# KiCad board Soldermander.kicad_pcb (continued)
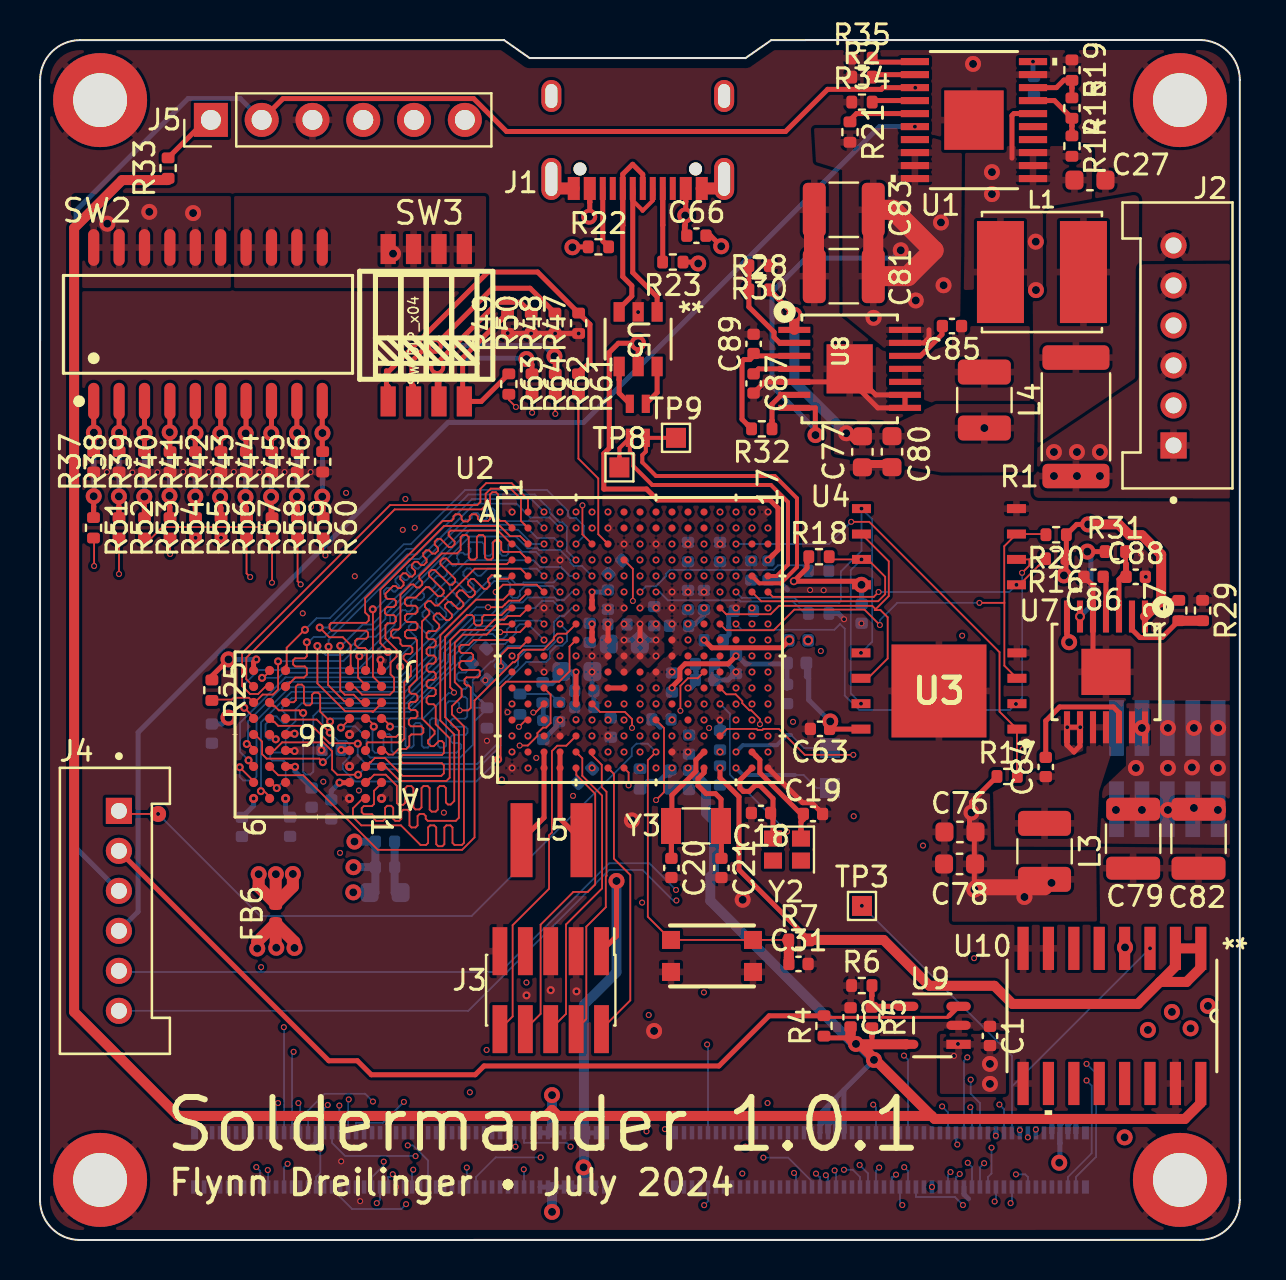
[diagram p0: board, top side]
## Routing (per net, layer and track width the routed paths; a pad name or vN(x,y) marks a point on that pad's centre or on a via; arc(x,y) is an arc through that point) (continued)
  Bottom w0.25: 30.79,24.42 U2.T10
SEMC_A0: length 19.4
  Top w0.09: 12.52,27.88 12.77,28.13 13.2,28.13 13.34,28.27 13.34,28.58 13.24,28.68 12.76,28.68 12.66,28.79 12.66,28.99 12.76,29.09 13.24,29.09 13.34,29.19 v2(13.34,29.9) ; 12.52,27.88 12.48,27.88 U6.H7 ; 12.52,27.88 12.34,27.69 ; v1(25.21,36.41) U2.A3
  Bottom w0.09: v2(13.34,29.9) 13.43,29.9 13.69,30.16 14.24,30.16 18.37,34.29 18.83,34.29 21.6,37.05 24.57,37.05 v1(25.21,36.41)
SEMC_A1: length 22.8
  Top w0.09: 24.41,36.72 U2.A2 ; 24.41,36.72 24.41,36.41 ; 24.41,36.72 24.41,37.03 23.59,37.85 22.31,37.85 22.02,37.56 22.02,36.91 21.87,36.76 17.51,36.76 10.11,29.35 10.11,27.71 10.51,27.31 10.91,27.31 11.28,27.67 11.47,27.67 11.48,27.68
SEMC_A2: length 20.7
  Top w0.09: U2.C2 24.21,35 24.21,35 ; 24.21,35 24.01,35.2 23.51,35.2 23,35.71 20.2,35.71 17.02,32.53 17.02,29.85 17.4,29.47 v2(17.4,29.41) ; 24.21,35 24.41,34.81 ; 11.48,28.48 11.52,28.48 11.54,28.49 11.16,28.11 v2(11.1,28.11)
  Bottom w0.09: v2(17.4,29.41) 17.52,29.29 17.52,28.76 17.13,28.37 12.18,28.37 11.93,28.11 v2(11.1,28.11)
SEMC_A3: length 21.5
  Top w0.09: 12.34,28.76 12.28,28.7 U6.J7 ; 12.34,28.76 12.34,29.62 13.23,30.51 v2(13.25,30.51) ; 12.34,28.76 12.34,28.49 ; v1(26.81,34.81) U2.C5 v1(26.81,34.81)
  Bottom w0.09: v1(26.81,34.81) 27.2,35.2 27.2,35.71 26.81,36.11 26.51,36.11 26.41,36.21 26.41,36.46 25.35,37.51 21.26,37.51 18.55,34.79 18.19,34.79 14.49,31.1 13.83,31.1 v2(13.25,30.51)
SEMC_A4: length 21.2
  Top w0.09: v2(13.99,30.63) 14.47,30.15 15.14,30.15 15.53,29.75 15.53,29.67 15.54,28.72 ; 15.54,28.72 15.48,28.67 U6.J3 ; 15.54,28.72 15.54,28.49 ; v1(26.81,34.01) U2.D5 v1(26.81,34.01)
  Bottom w0.09: v2(13.99,30.63) 14.38,30.63 18.32,34.56 18.7,34.56 21.42,37.28 24.74,37.28 25.49,36.53 25.49,36.38 25.98,35.89 26.12,35.89 26.35,35.67 26.35,34.46 v1(26.81,34.01)
SEMC_A5: length 21.2
  Top w0.09: 16.43,28.56 16.34,28.65 16.34,29.51 16.25,29.6 15.92,29.6 15.76,29.76 15.76,29.97 15.86,30.07 16.31,30.07 16.41,30.17 16.41,30.37 16.31,30.48 14.58,30.48 14.48,30.58 14.48,30.78 14.56,30.86 16.32,30.86 16.44,30.98 16.44,31.2 16.26,31.38 16.26,32.09 20.13,35.96 20.58,35.96 20.68,36.06 20.68,36.19 20.78,36.29 20.98,36.29 21.08,36.19 21.08,36.04 21.18,35.94 21.39,35.94 21.49,36.04 21.49,36.19 21.59,36.29 21.79,36.29 21.9,36.19 21.9,36.06 22,35.96 22.41,35.96 22.51,36.06 22.51,37.29 22.62,37.4 22.8,37.4 22.91,37.28 22.91,36.06 23.02,35.96 23.25,35.96 23.61,35.61 23.6,35.61 U2.B1 ; 16.43,28.56 16.35,28.48 ; 16.43,28.56 16.36,28.56 U6.J2
SEMC_A6: length 21
  Top w0.09: U6.H3 15.49,27.67 15.56,27.67 ; 23.6,34.81 23.58,34.81 22.9,35.48 20.54,35.48 20.44,35.38 20.44,35.23 20.73,34.94 20.73,34.79 20.59,34.65 20.45,34.65 20.03,35.07 19.88,35.07 19.74,34.92 19.74,34.78 19.91,34.61 19.91,34.47 19.76,34.33 19.62,34.33 19.45,34.49 19.31,34.49 19.17,34.35 19.17,34.2 19.33,34.04 19.33,33.9 19.19,33.75 19.04,33.75 18.88,33.92 18.74,33.92 18.59,33.77 18.59,33.63 18.76,33.46 18.76,33.32 18.61,33.18 18.47,33.18 18.3,33.34 18.16,33.34 18.02,33.2 18.02,33.05 18.18,32.89 18.18,32.75 18.04,32.6 17.89,32.6 17.8,32.7 17.65,32.7 17.28,32.32 17.28,32.16 17.38,32.06 17.69,32.06 17.8,31.96 17.8,31.76 17.69,31.66 17.35,31.66 17.25,31.55 17.25,31.35 17.35,31.25 17.69,31.25 17.8,31.15 17.8,30.94 17.69,30.84 17.38,30.84 17.28,30.74 17.28,30.08 17.83,29.52 17.83,29.18 17.53,28.88 17.53,28.29 17.71,28.11 17.71,27.48 17.5,27.27 16.11,27.27 15.74,27.64 15.59,27.64 15.56,27.67 ; 23.6,34.81 U2.C1 ; 23.6,34.81 23.61,34.81 ; 15.54,27.69 15.56,27.67
SEMC_A7: length 18.5
  Top w0.09: v2(15.97,29.2) 15.91,29.13 15.91,28.12 16.28,27.75 ; 16.28,27.75 U6.H2 ; 16.28,27.75 16.34,27.69 ; v1(25.21,34.01) U2.D3
  Bottom w0.09: v2(15.97,29.2) 16.02,29.25 16.22,29.25 17.74,30.76 17.74,31.1 17.81,31.17 18.13,31.5 18.27,31.5 18.34,31.43 18.49,31.43 18.63,31.57 18.63,31.72 18.56,31.79 18.56,31.93 18.71,32.07 18.85,32.07 18.92,32 19.06,32 19.21,32.15 19.21,32.29 19.14,32.36 19.14,32.5 19.28,32.65 19.42,32.65 19.49,32.58 19.64,32.58 19.78,32.72 19.78,32.86 19.71,32.94 19.71,33.08 19.85,33.22 20,33.22 20.07,33.15 20.21,33.15 20.36,33.3 20.36,33.44 20.29,33.51 20.29,33.65 20.43,33.8 20.57,33.8 20.64,33.73 20.79,33.73 20.93,33.87 20.93,34.01 20.86,34.08 20.86,34.23 21,34.37 21.15,34.37 21.24,34.28 21.38,34.28 21.52,34.43 21.52,34.57 21.44,34.66 21.44,34.8 21.53,34.89 22.1,34.89 22.2,34.79 22.2,34.32 22.3,34.22 22.51,34.22 22.61,34.32 22.61,34.85 22.71,34.95 22.91,34.95 23.02,34.85 23.02,34.32 23.12,34.22 23.32,34.22 23.42,34.32 23.42,34.75 23.52,34.85 23.67,34.85 24.11,34.41 24.8,34.41 v1(25.21,34.01)
SEMC_A8: length 18
  Top w0.09: 17.08,27.75 16.65,28.18 16.65,31.53 v2(16.64,31.54) ; 17.08,27.75 17.14,27.69 ; 17.08,27.75 U6.H1 ; v1(25.21,35.61) U2.B3
  Bottom w0.09: v2(16.64,31.54) 16.79,31.54 17.32,32.06 17.32,32.21 17.2,32.32 17.2,32.46 17.35,32.61 17.49,32.61 17.67,32.42 17.76,32.42 17.96,32.62 17.96,32.71 17.78,32.9 17.78,33.04 17.92,33.18 18.06,33.18 18.25,33 18.34,33 18.54,33.2 18.54,33.29 18.35,33.47 18.35,33.61 18.5,33.76 18.64,33.76 18.82,33.57 18.91,33.57 19.11,33.77 19.11,33.86 21.27,36.02 21.49,36.02 21.59,36.12 21.59,36.26 21.68,36.36 21.87,36.36 21.97,36.26 21.97,36.09 22.06,36 22.25,36 22.35,36.09 22.35,36.49 22.44,36.58 22.63,36.58 22.73,36.49 22.73,36.12 22.9,35.95 24.86,35.95 v1(25.21,35.61)
SEMC_A9: length 18.7
  Top w0.09: 15.48,26.88 15.48,26.89 15.51,26.92 15.48,26.95 15.22,26.95 14.4,27.76 14.4,29.64 v2(14.43,29.67) ; v1(26.01,35.61) U2.B4
  Bottom w0.09: v1(26.01,35.61) 25.48,36.13 24.52,36.13 23.83,36.83 21.73,36.83 18.96,34.06 18.47,34.06 14.43,30.02 v2(14.43,29.67)
SEMC_A10: length 21.2
  Top w0.09: 24.23,35.78 24.23,35.78 U2.B2 ; 24.23,35.78 24.41,35.61 ; 24.23,35.78 24.05,35.96 24.05,37.06 23.53,37.58 22.54,37.58 22.29,37.32 22.29,36.74 22.09,36.54 17.74,36.54 10.32,29.12 10.32,28.05 U6.H9
SEMC_A11: length 17.8
  Top w0.09: v2(15.01,29.71) 15.01,27.5 15.24,27.27 15.69,27.27 16.03,26.93 16.23,26.93 ; 16.23,26.93 16.28,26.88 ; 16.23,26.93 16.3,26.93 ; v1(26.01,34.81) U2.C4
  Bottom w0.09: v1(26.01,34.81) 25.71,35.11 24.86,35.11 24.2,35.77 21.43,35.77 17.02,31.36 17.02,31.19 16.61,30.78 16.14,30.78 15.07,29.71 v2(15.01,29.71)
SEMC_A12: length 20.5
  Top w0.09: 17.08,26.88 17.08,26.84 16.65,26.41 16.61,26.44 15.26,26.44 13.87,27.83 v2(13.87,29.71) ; v1(25.21,34.81) U2.C3
  Bottom w0.09: v1(25.21,34.81) 24.62,34.81 23.91,35.52 21.5,35.52 17.28,31.29 17.28,31.06 16.74,30.53 16.38,30.53 15.11,29.26 14.29,29.26 13.87,29.67 v2(13.87,29.71)
SEMC_BA0: length 19.6
  Top w0.09: v1(20.7,27.38) 20.7,27.45 20.51,27.64 20.51,29.99 21.03,30.51 22.21,30.51 22.72,31.02 23.21,31.02 23.4,31.21 24.01,31.21 U2.G2 ; v2(14.51,25.93) 14.01,26.42 14.01,27.27 13.91,27.37 13.71,27.37 13.6,27.27 13.6,26.84 13.5,26.74 13.3,26.74 13.2,26.84 13.2,27.68 13.1,27.78 12.89,27.78 12.79,27.68 12.79,27 12.69,26.89 12.29,26.89 12.28,26.88
  Bottom w0.09: v1(20.7,27.38) 20.67,27.35 20.43,27.35 19.17,26.08 14.66,26.08 v2(14.51,25.93)
SEMC_BA1: length 21.5
  Top w0.09: 11.74,26.69 11.67,26.69 11.48,26.88 ; 11.74,26.69 11.94,26.49 12.96,26.49 13.08,26.36 v2(13.16,26.36) ; 11.74,26.69 11.54,26.89 ; v1(23.02,30.4) 24,30.4 U2.H2
  Bottom w0.09: v2(13.16,26.36) 13.16,23.42 13.16,23.41 13.29,23.28 13.52,23.28 13.67,23.42 13.67,26.21 14.05,26.59 18.41,26.59 20.65,28.83 20.65,29.18 21.98,30.51 22.91,30.51 v1(23.02,30.4)
SEMC_CAS: length 23
  Top w0.09: U6.F7 12.34,26.03 13.84,26.03 v2(14.49,25.37) ; U2.J5 26.8,30.01 U2.J5 ; U2.J5 26.64,29.84 ; U2.J5 26.64,29.84 ; 26.64,29.84 26.48,29.68 26.48,28.44 25.96,27.92 23.31,27.92 23.03,27.64 23.03,24.15 v2(22.91,24.03)
  Bottom w0.09: v2(14.49,25.37) 14.9,24.96 15.31,24.96 15.47,24.8 15.47,24.15 15.14,23.82 15.14,23.55 15.76,22.93 21.82,22.93 22.91,24.02 v2(22.91,24.03)
SEMC_CKE: length 22.5
  Top w0.09: v2(15.05,25.62) 15.07,25.62 15.48,26.04 U6.F3
  Bottom w0.09: 21.64,26.62 21.64,27.36 ; 21.64,26.62 21.64,25.86 ; 21.64,26.62 R24.1 ; 21.64,27.36 22,27 ; 21.64,27.36 21.64,28.01 22.56,28.93 22.63,28.93 23.41,29.71 25.31,29.71 25.71,30.1 25.71,30.91 26,31.21 26.21,31.21 26.61,31.61 v1(26.81,31.61) ; R24.1 22.36,26.57 21.64,25.86 ; R24.1 22.36,26.64 22,27 ; 22.36,26.71 22.06,27 22,27 ; v2(15.05,25.62) 15.04,25.62 15.04,25.49 15.23,25.68 15.77,25.68 16.01,25.44 16.01,25.44 16.33,25.12 16.33,24.32 16.53,24.13 21.01,24.13 21.64,24.76 21.64,25.86
SEMC_CLK: length 3.9
  Bottom w0.09: v1(25.21,30.01) 24.42,30.79 23.99,30.79 23.81,30.61 23.81,30.36 23.26,29.81 22.57,29.81 22.42,29.66 22.4,29.66 R26.1
SEMC_CS0: length 24.6
  Top w0.09: 10.74,26.88 10.76,26.91 ; 10.76,26.91 10.77,26.91 11.13,27.28 11.65,27.28 11.91,27.53 v2(11.91,28.94) ; 10.76,26.91 10.71,26.91 10.68,26.88 10.45,27.12 9.69,27.12 9.6,27.03 8.63,27.03 ; 8.63,27.03 8.6,27 R25.2 ; 8.63,27.03 8.59,27.03 ; v1(27.61,33.21) U2.E6 v1(27.61,33.21)
  Bottom w0.09: v1(27.61,33.21) 27.11,33.71 26.7,33.71 26.52,33.89 26.52,33.99 26.01,34.51 24.96,34.51 24.87,34.59 24.38,34.59 23.8,35.18 21.49,35.18 17.51,31.2 17.51,30.89 16.79,30.17 16.39,30.17 15.17,28.96 12.8,28.96 12.79,28.95 11.92,28.95 v2(11.91,28.94)
SEMC_D0: length 22.2
  Top w0.09: 25.11,32.5 25.12,32.5 U2.F3 ; 25.11,32.5 25.21,32.41 ; 25.11,32.5 24.84,32.77 23.15,32.77 v1(22.79,32.41) ; 11.54,22.11 11.54,22.09 ; 11.54,22.11 11.51,22.11 11.48,22.08 ; 11.54,22.11 11.54,22.12 11.21,22.45 v2(11.05,22.45)
  Bottom w0.09: v2(11.05,22.45) 11.05,22.7 11.05,22.71 11.05,25.88 12.58,27.41 18.26,27.41 19.97,29.12 19.97,29.46 21.76,31.25 22.55,31.25 22.79,31.49 v1(22.79,32.41)
SEMC_D1: length 21.9
  Top w0.09: U2.F2 24.41,32.41 23.97,31.97 23.45,31.97 23.26,31.78 23.25,31.78 23.11,31.64 v1(22.41,31.64) ; v2(9.99,23.64) 10.68,22.95 ; 10.68,22.95 10.74,22.89 ; 10.68,22.95 10.68,22.88
  Bottom w0.09: v1(22.41,31.64) 21.83,31.64 19.74,29.56 19.74,29.21 18.17,27.64 12.48,27.64 10.82,25.98 10.82,23.16 10.65,22.98 10.16,22.98 9.99,23.16 v2(9.99,23.64)
SEMC_D2: length 21.9
  Top w0.09: 26,31.61 U2.G4 26,31.61 ; 26,31.61 v1(26,31.61) ; 11.48,22.88 11.49,22.89 11.54,22.89 11.83,22.6 v2(11.84,22.6)
  Bottom w0.09: v1(26,31.61) 25.66,31.95 25.1,31.95 24.75,31.6 23.65,31.6 22.75,30.69 21.85,30.69 20.42,29.27 20.42,28.93 18.34,26.84 13.09,26.84 12.78,26.54 12.78,25.95 12.28,25.46 12.28,24.48 12.18,24.38 11.62,24.38 11.52,24.28 11.52,24.07 11.62,23.97 12.18,23.97 12.28,23.87 12.28,23.05 v2(11.84,22.6)
SEMC_D3: length 22.1
  Top w0.09: 10.68,23.72 10.43,23.97 v2(10.43,23.99) ; 10.68,23.72 10.7,23.69 ; 10.68,23.72 U6.C9 ; v1(26.01,33.21) U2.E4
  Bottom w0.09: v2(10.43,23.99) 10.01,24.41 10.01,25.87 12.28,28.14 18.02,28.14 18.39,28.51 18.39,28.96 22.57,33.13 23.47,33.13 23.8,32.81 24.1,32.81 24.18,32.89 25.69,32.89 v1(26.01,33.21)
SEMC_D4: length 25.9
  Top w0.09: 11.48,23.68 11.92,23.24 13.16,23.24 16.9,19.51 21.11,19.51 21.73,20.13 21.73,26.98 23.65,28.89 23.74,28.89 23.92,29.08 23.92,29.26 24.17,29.52 25.19,29.52 25.69,30.03 25.69,30.14 25.88,30.32 26.32,30.32 U2.H5
SEMC_D5: length 21.7
  Top w0.09: v1(26.01,32.41) U2.F4 ; v2(10.34,24.81) 10.45,24.81 10.74,24.52 10.74,24.51 ; 10.74,24.51 10.71,24.51 U6.D9 ; 10.74,24.51 10.74,24.49
  Bottom w0.09: v1(26.01,32.41) 25.94,32.41 25.64,32.71 24.26,32.71 24,32.45 24,32.23 23.88,32.11 23.64,32.11 23.52,32.23 23.52,32.83 23.4,32.95 22.71,32.95 19.51,29.75 19.51,29.31 18.11,27.91 12.37,27.91 10.4,25.94 10.4,24.87 v2(10.34,24.81)
SEMC_D6: length 21.9
  Top w0.09: v2(15.91,23.27) 14.87,23.27 14.61,23.53 14.61,24.44 14.16,24.89 12.11,24.89 11.72,24.5 11.54,24.5 11.54,24.5 ; 11.54,24.49 11.54,24.5 ; 11.54,24.5 11.5,24.5 11.48,24.48
  Bottom w0.09: v1(26.01,30.81) 26.36,30.46 26.36,29.95 26.12,29.72 25.83,29.72 25.49,29.38 25.49,29.09 25.31,28.91 24.32,28.91 23.04,27.63 23.04,24.72 21.86,23.54 16.18,23.54 v2(15.91,23.27)
SEMC_D7: length 20.9
  Top w0.09: 10.79,25.24 10.72,25.24 U6.E9 ; 10.79,25.24 11.11,24.92 11.11,24.3 11.33,24.07 13.97,24.07 v2(14.15,23.9) ; 10.79,25.24 10.74,25.29 ; v1(25.2,30.81) U2.H3
  Bottom w0.09: v2(14.15,23.9) 14.17,23.9 14.59,24.31 14.59,24.72 14.12,25.19 14.12,26.41 18.48,26.41 21.01,28.93 21.01,29.13 22.18,30.31 22.64,30.31 22.88,30.06 23.15,30.06 23.35,30.26 23.35,30.54 23.79,30.97 25.04,30.97 v1(25.2,30.81)
SEMC_D8: length 21.8
  Top w0.09: v1(25.21,33.21) U2.E3 ; U6.E1 17.09,25.29 17.2,25.29 17.33,25.16 17.8,25.16 17.99,25.34 17.99,28.65 v2(18.01,28.67)
  Bottom w0.09: v2(18.01,28.67) 18.07,28.73 18.07,29.24 18.81,29.98 18.81,30.15 18.44,30.51 18.44,30.69 18.61,30.86 18.78,30.86 19.29,30.35 19.46,30.35 19.63,30.52 19.63,30.69 19.13,31.2 19.13,31.37 19.3,31.54 19.47,31.54 19.97,31.03 20.14,31.03 20.31,31.2 20.31,31.37 19.81,31.88 19.81,32.05 19.98,32.22 20.15,32.22 20.66,31.71 20.83,31.71 21,31.89 21,32.06 20.49,32.56 20.49,32.73 20.66,32.9 20.83,32.9 21.34,32.4 21.51,32.4 21.68,32.57 21.68,32.74 21.17,33.24 21.17,33.42 21.34,33.59 21.51,33.59 21.88,33.22 22.05,33.22 22.4,33.57 24.84,33.57 v1(25.21,33.21)
SEMC_D9: length 25
  Top w0.09: U6.D2 16.3,24.5 16.34,24.5 ; 16.34,24.5 16.34,24.5 16.34,24.83 16.4,24.89 18.04,24.89 18.21,25.07 18.21,27.88 18.55,28.21 18.55,28.7 18.18,29.06 18.18,29.21 18.28,29.31 18.52,29.31 18.62,29.41 18.62,29.61 18.52,29.71 18.13,29.71 18.02,29.81 18.02,30.02 17.92,30.12 17.66,30.12 17.56,30.22 17.56,30.42 17.66,30.53 17.92,30.53 18.02,30.63 18.02,32.27 18.54,32.78 18.68,32.78 18.83,32.63 18.97,32.63 19.11,32.78 19.11,32.92 18.97,33.07 18.97,33.21 20.09,34.34 20.86,34.34 21.03,34.51 21.03,35.15 21.14,35.25 21.34,35.25 21.44,35.15 21.44,34.13 21.54,34.03 21.74,34.03 21.85,34.13 21.85,35.15 21.95,35.25 22.15,35.25 22.25,35.15 22.25,34.13 22.35,34.03 22.56,34.03 22.66,34.13 22.66,34.89 22.76,34.99 22.96,34.99 23.07,34.89 23.07,34.51 23.17,34.41 24,34.41 24.2,34.21 ; 16.34,24.5 16.34,24.49 ; U2.D2 24.2,34.21 24.2,34.21 ; 24.2,34.21 24.41,34.01
SEMC_D10: length 24.7
  Top w0.09: 23.6,34.01 U2.D1 ; 23.6,34.01 23.61,34.01 ; 23.6,34.01 23.55,34.01 23.35,33.8 20.6,33.8 20.31,34.09 20.17,34.09 20.02,33.94 20.02,33.8 20.76,33.06 20.76,32.91 20.62,32.77 20.48,32.77 19.74,33.51 19.59,33.51 19.45,33.37 19.45,33.22 20.19,32.48 20.19,32.34 20.04,32.2 19.9,32.2 19.45,32.65 19.31,32.65 18.98,32.32 18.96,32.3 18.79,32.13 18.35,32.13 18.25,32.02 18.25,31.82 18.35,31.72 18.77,31.72 18.88,31.62 18.88,31.42 18.77,31.31 18.35,31.31 18.25,31.21 18.25,31.01 18.35,30.91 18.77,30.91 18.88,30.81 18.88,30.6 18.77,30.5 18.35,30.5 18.25,30.4 18.25,30.2 18.35,30.09 18.75,30.09 18.85,29.99 18.85,28.04 18.47,27.66 18.47,27.42 18.57,27.32 18.77,27.32 18.88,27.22 18.88,27.01 18.77,26.91 18.55,26.91 18.44,26.81 18.44,26.61 18.55,26.5 18.77,26.5 18.88,26.4 18.88,26.2 18.77,26.1 18.55,26.1 18.44,26 18.44,25.79 18.55,25.69 19.07,25.69 19.17,25.59 19.17,25.39 19.07,25.29 18.57,25.29 18.47,25.18 18.47,24.71 18.32,24.56 17.94,24.56 17.66,24.28 17.43,24.28 17.31,24.4 17.31,24.4 17.21,24.49 17.09,24.49 U6.D1
SEMC_D11: length 25.3
  Top w0.09: 24.31,33.3 24.32,33.3 U2.E2 ; 24.31,33.3 24.41,33.21 ; 24.31,33.3 24.04,33.57 21.74,33.57 19.9,31.73 19.76,31.73 19.54,31.95 19.4,31.95 19.25,31.8 19.25,31.66 19.47,31.44 19.47,31.3 19.1,30.93 19.1,26.08 19.73,25.45 19.73,25.31 19.41,24.98 19.41,24.84 19.55,24.7 19.69,24.7 19.95,24.95 20.09,24.95 20.2,24.85 20.2,24.35 20.09,24.25 18.14,24.25 18.04,24.15 18.04,23.95 18.14,23.85 20.09,23.85 20.2,23.74 20.2,23.34 20.07,23.21 18.14,23.21 17.25,24.1 16.74,24.1 16.54,23.9 ; U6.C2 16.5,23.9 16.54,23.9 ; 16.54,23.9 16.34,23.69
SEMC_D12: length 24.8
  Top w0.09: 23.6,33.21 23.56,33.21 23.42,33.07 22.96,33.07 22.79,33.24 22.58,33.24 22.41,33.07 22.41,32.92 22.48,32.85 22.48,32.71 22.34,32.56 22.19,32.56 21.7,33.06 21.55,33.06 21.41,32.92 21.41,32.77 21.75,32.44 21.75,32.29 21.6,32.15 21.46,32.15 21.12,32.48 20.98,32.48 20.84,32.34 20.84,32.2 21.17,31.86 21.17,31.72 21.03,31.57 20.89,31.57 20.55,31.91 20.4,31.91 20.26,31.77 20.26,31.62 20.6,31.29 20.6,31.14 20.45,31 20.31,31 19.97,31.34 19.83,31.34 19.69,31.19 19.69,31.05 19.97,30.77 19.97,30.63 19.79,30.45 19.43,30.45 19.33,30.35 19.33,30.15 19.43,30.04 19.69,30.04 19.79,29.94 19.79,29.74 19.69,29.64 19.43,29.64 19.33,29.54 19.33,29.33 19.43,29.23 19.69,29.23 19.79,29.13 19.79,28.93 19.69,28.82 19.43,28.82 19.33,28.72 19.33,28.52 19.43,28.42 19.69,28.42 19.79,28.32 19.79,28.11 19.69,28.01 19.43,28.01 19.33,27.91 19.33,27.71 19.43,27.61 19.69,27.61 19.79,27.5 19.79,27.3 19.69,27.2 19.43,27.2 19.33,27.1 19.33,26.89 19.43,26.79 19.69,26.79 19.79,26.69 19.79,25.79 20.49,25.09 20.49,23.12 20.32,22.96 17.99,22.96 17.3,23.64 17.19,23.64 17.16,23.67 ; 23.6,33.21 U2.E1 ; 23.6,33.21 23.61,33.21 ; U6.C1 17.09,23.67 17.16,23.67 ; 17.14,23.69 17.16,23.67
SEMC_D13: length 25.2
  Top w0.09: 16.28,22.88 16.48,23.08 16.52,23.08 ; 16.52,23.08 16.71,23.27 17.29,23.27 17.85,22.71 17.85,21.85 17.94,21.76 18.16,21.76 18.27,21.86 18.27,22.6 18.37,22.7 18.57,22.7 18.67,22.6 18.67,21.63 18.77,21.53 18.98,21.53 19.08,21.63 19.08,22.6 19.18,22.7 19.38,22.7 19.48,22.6 19.48,21.53 19.59,21.42 19.79,21.42 19.89,21.53 19.89,22.6 19.99,22.7 20.2,22.7 20.3,22.6 20.3,21.88 20.4,21.78 20.54,21.78 20.72,21.95 20.72,25.28 20.02,25.98 20.02,30.24 21.8,32.02 23.16,32.02 23.55,32.41 23.6,32.41 ; 16.52,23.08 16.34,22.89 ; 23.6,32.41 U2.F1 ; 23.6,32.41 23.61,32.41
SEMC_D14: length 24.6
  Top w0.09: 17.08,22.88 17.08,22.84 16.7,22.46 16.7,21.8 16.6,21.7 16.19,21.7 16.09,21.6 16.09,21.39 16.19,21.29 16.6,21.29 16.7,21.19 16.7,21.06 16.81,20.96 17.16,20.96 17.26,21.06 17.26,21.61 17.36,21.71 17.56,21.71 17.66,21.61 17.66,21.06 17.77,20.96 17.97,20.96 18.07,21.06 18.07,21.42 18.17,21.52 18.37,21.52 18.48,21.42 18.48,20.73 18.58,20.63 18.78,20.63 18.88,20.73 18.88,21.2 18.98,21.3 19.19,21.3 19.29,21.2 19.29,21.06 19.39,20.96 20.79,20.96 20.95,21.12 20.95,25.46 20.26,26.14 20.26,30.16 21.35,31.25 21.61,31.25 21.71,31.15 21.71,30.84 21.81,30.74 22.01,30.74 22.11,30.84 22.11,31.15 22.22,31.25 23.08,31.25 23.36,31.53 23.53,31.53 U2.G1
SEMC_D15: length 24.9
  Top w0.09: 16.25,22.05 U6.A2 ; 16.25,22.05 16.29,22.05 ; 16.25,22.05 16.11,22.05 15.65,21.59 15.65,21.15 16.07,20.73 18.05,20.73 19.03,19.76 19.31,19.76 19.41,19.86 19.41,20.63 19.51,20.73 19.71,20.73 19.82,20.63 19.82,19.79 19.92,19.69 20.12,19.69 20.22,19.79 20.22,20.63 20.32,20.73 20.53,20.73 20.63,20.63 20.63,19.86 20.73,19.76 21.1,19.76 21.2,19.86 21.2,25.69 20.6,26.28 20.6,26.69 21.09,27.17 21.09,27.55 20.74,27.9 20.74,29.87 21.15,30.27 22.33,30.27 22.85,30.79 23.59,30.79 U2.H1
SEMC_DM0: length 21.3
  Top w0.09: 11.48,25.28 11.72,25.04 v2(11.79,25.04) ; v1(26.81,32.41) U2.F5 v1(26.81,32.41)
  Bottom w0.09: v1(26.81,32.41) 26.61,32.41 26.21,32.01 25.86,32.01 25.73,32.13 24.38,32.13 24.13,31.88 23.58,31.88 22.67,30.98 21.81,30.98 20.2,29.37 20.2,29.02 18.27,27.1 12.59,27.1 12.11,26.62 12.11,26.48 12.46,26.13 12.46,25.99 12.31,25.84 12.17,25.84 11.82,26.19 11.68,26.19 11.28,25.79 11.28,25.18 11.44,25.02 11.79,25.02 v2(11.79,25.04)
SEMC_DM1: length 21.8
  Top w0.09: v1(20.98,26.49) 21.42,26.49 21.54,26.61 21.54,27.63 21.44,27.73 21.33,27.73 21.23,27.83 21.23,28.04 21.33,28.14 21.89,28.14 21.99,28.24 21.99,28.44 21.93,28.51 21.11,28.51 20.97,28.65 20.97,28.85 21.07,28.95 21.56,28.95 21.66,29.05 21.66,29.26 21.56,29.36 21.07,29.36 20.97,29.46 20.97,29.66 21.07,29.76 21.44,29.76 21.68,30.01 23.6,30.01 ; 23.6,30.01 U2.J1 23.6,30.01 ; v2(17.5,25.67) 17.5,25.73 17.14,26.09 17.09,26.09 U6.F1
  Bottom w0.09: v1(20.98,26.49) 20.96,26.51 20.96,26.84 20.86,26.94 20.45,26.94 20.31,26.81 20.31,24.73 20.21,24.63 20.01,24.63 19.9,24.73 19.9,25.99 19.8,26.09 19.6,26.09 19.5,25.99 19.5,24.73 19.4,24.63 19.19,24.63 19.09,24.73 19.09,25.75 18.99,25.85 18.79,25.85 18.68,25.75 18.68,24.73 18.58,24.63 18.38,24.63 18.28,24.73 18.28,25.57 18.18,25.67 v2(17.5,25.67)
SEMC_RAS: length 20.6
  Top w0.09: 11.54,26.09 11.73,25.9 ; 11.73,25.9 11.66,25.9 11.48,26.08 ; 11.73,25.9 11.92,25.71 13.61,25.71 14.48,24.84 15.87,24.84 v2(15.89,24.82)
  Bottom w0.09: v2(15.89,24.82) 15.89,24.21 16.3,23.81 21.86,23.81 22.86,24.8 22.86,27.7 23.91,28.75 23.91,29.1 24.33,29.53 25.38,29.53 25.86,30.01 v1(26.01,30.01)
SEMC_WE: length 21.5
  Top w0.09: 10.68,26.15 10.74,26.09 ; 10.68,26.15 v2(10.21,26.62) ; 10.68,26.15 U6.F9 ; v1(26.81,33.21) U2.E5 v1(26.81,33.21)
  Bottom w0.09: v1(26.81,33.21) 26.5,33.21 26.05,33.66 25.01,33.66 24.67,33.99 21.38,33.99 15.98,28.6 12.09,28.6 12,28.51 10.94,28.51 10.21,27.78 v2(10.21,26.62)
SWD_CLK: length 14.9
  Top w0.09: 27.61,24.33 U2.T6 27.61,24.33 ; 27.61,24.33 27.61,24.25 28.09,23.76 28.09,22.65 28.33,22.41 28.33,18.21 28.29,18.18 28.29,16.64 27.32,15.67 27.32,11.05 J3.4
SWD_DIO: length 14.3
  Top w0.09: 28.55,23.46 28.7,23.31 28.7,19.07 29.52,18.25 29.52,11.98 J3.2 ; 28.55,23.46 U2.U7 28.55,23.46
SWD_RESET: length 16.5
  Top w0.09: U2.R5 26.32,24.72 25.86,24.72 25.6,24.45 25.6,20.38 25.46,20.24 25.46,17.57 23.64,15.75 23.64,11.18 J3.10
USB_CC1: length 5.5
  Top w0.25: 31.14,50.75 31.14,52.59 31.14,50.75 ; 31.14,50.75 31.14,48.91 R23.2
USB_CC2: length 3.2
  Top w0.25: 28.36,49.74 28.14,49.96 28.14,52.59 ; 28.36,49.74 28.36,49.73 28.43,49.67 ; 28.36,49.74 R22.2
USDHC2_CLK: length 0
  Top w0.09: v1(34,32.4) U2.F14
USDHC2_CMD: length 0
  Top w0.09: v1(34,33.2) U2.E14
USDHC2_DATA0: length 31.5
  Top w0.09: U2.E15 v1(34.8,33.2)
  In1.Cu w0.09: v1(34.8,33.2) 35.91,32.1 35.91,30.9 36.4,30.4 36.47,30.4 37.06,29.81 37.06,27.63 40.36,24.33 40.36,12.07 v1(43.21,9.22)
  Bottom w0.09: v1(43.21,9.22) 43.41,9.02 J6.44
VSYS: length 31.8
  Top w0.25: 51.36,30.3 51.36,30 v3(51.47,29.9) ; 51.36,30.3 U7.7 ; 51.36,30.3 51.36,30.59 ; 44.46,45.52 44.46,45.11 44.21,44.86 U8.13 ; U8.7 38.77,41.61 38.77,40.26 v3(38.78,40.25)
  Top w1: 44.69,49.49 42.66,51.52 41.67,51.52 41.67,48.2 43.4,48.2 44.69,49.49
  Bottom w0.25: v3(43.05,49.5) 42.66,49.11 38.31,49.11 36.61,47.41 36.61,42.71 37.71,41.61 38.78,40.53 v3(38.78,40.25)
  vias: v3(41.69,46.12) v3(43.8,46.99) v3(45.06,50.89) v3(45.19,47.75) v3(53.81,21.51) v3(54.81,23.61) v3(55.11,25.61) v3(55.11,21.51) v3(56.41,25.61) v3(56.41,23.61) v3(56.41,21.51) v3(57.61,23.64) v3(57.71,25.61) v3(57.71,21.61) v3(58.92,25.61) v3(58.91,23.61) v3(58.91,21.51)
VUSB: length 28.6
  Top w0.25: 32.27,50.77 32.23,50.73 32.23,50.48 ; 32.27,50.77 32.27,50.31 ; 32.27,50.77 v3(32.27,51.24) 32.29,51.26 32.29,51.93 ; 29.91,44.26 U5.5 29.91,44.26 ; 29.91,44.26 29.91,44.84 v3(29.91,44.85) 28.92,44.85 28.47,44.39 28.47,39.6 28.2,39.33 28.2,37.56 30.33,37.56 30.88,37.01 36.51,37.01 36.91,36.61 36.91,34.51 36.66,34.26 ; C66.1 32.35,50.36 32.23,50.48 ; 27.49,51.9 27.49,52.59 27.49,51.9 ; 27.49,51.9 27.49,51.2 v3(27.47,51.18) ; 36.66,34.26 v1(36.41,34.01) ; 36.66,34.26 36.65,34.26 U2.D17 ; 32.23,50.48 32.23,50.23 ; 32.29,51.93 32.29,52.59 32.29,51.93
  Bottom w0.25: v1(36.41,34.01) 36.43,33.98 C60.1
WAKEUP: length 38.5
  Top w0.09: U2.T8 v1(29.21,24.4)
  In1.Cu w0.09: v1(30.33,5.43) 30.32,5.43 29.82,5.93 29.82,17.72 29.06,18.48 29.06,24.26 v1(29.21,24.4)
  In2.Cu w0.09: v1(49,5.49) 48.99,5.5 47.11,5.5 46.87,5.26 30.5,5.26 v1(30.33,5.43)
  Bottom w0.09: v1(49,5.49) 49.01,5.49 J6.16
Net-(J5-Pin_1): length 2.9
  Top w0.25: R33.2 8.31,56.02 J5.1
Net-(R37-Pad2): length 7.3
  Top w0.25: 2.69,36.67 2.68,36.66 R51.1 ; 2.69,36.67 2.69,36.14 ; 2.69,36.67 v3(2.69,37.2) ; 2.69,39.42 R37.2 2.69,40.37 v3(2.7,40.38) 2.69,40.39 SW2.1
  Bottom w0.25: v3(2.7,40.38) 2.7,37.21 v3(2.69,37.2)
Net-(R38-Pad2): length 7.3
  Top w0.25: 3.95,36.66 3.95,36.13 ; 3.95,36.66 v3(3.95,37.19) ; 3.95,36.66 3.95,36.65 R52.1 ; R38.2 3.96,39.43 v3(3.96,40.37) SW2.2
  Bottom w0.25: v3(3.95,37.19) 3.96,37.2 v3(3.96,40.37)
Net-(R39-Pad2): length 7.3
  Top w0.25: R39.2 5.23,39.43 v3(5.23,40.36) SW2.3 ; v3(5.22,37.18) 5.22,36.66 ; 5.22,36.66 5.23,36.65 R53.1 ; 5.22,36.66 5.22,36.14
  Bottom w0.25: v3(5.23,40.36) 5.23,37.19 v3(5.22,37.18)
Net-(R40-Pad2): length 7.3
  Top w0.25: 6.48,36.68 6.48,36.15 ; 6.48,36.68 v3(6.48,37.22) ; 6.48,36.68 6.5,36.66 R54.1 ; SW2.4 6.5,40.41 v3(6.49,40.4) 6.5,40.39 6.5,39.43 R40.2
  Bottom w0.25: v3(6.48,37.22) 6.49,37.23 v3(6.49,40.4)
Net-(R41-Pad2): length 7.3
  Top w0.25: v3(7.77,37.18) 7.77,36.66 ; 7.77,36.66 7.78,36.64 R55.1 ; 7.77,36.66 7.77,36.14 ; R41.2 7.77,39.43 7.77,40.35 v3(7.78,40.36) 7.77,40.37 SW2.5
  Bottom w0.25: v3(7.78,40.36) 7.77,40.35 v3(7.77,37.18)
Net-(R42-Pad2): length 7.3
  Top w0.25: SW2.6 9.04,40.36 v3(9.02,40.34) 9.04,40.32 9.04,39.44 R42.2 ; v3(9.01,37.16) 9.01,36.66 ; 9.01,36.66 9.05,36.62 R56.1 ; 9.01,36.66 9.01,36.17
  Bottom w0.25: v3(9.01,37.16) 9.02,37.17 v3(9.02,40.34)
Net-(R43-Pad2): length 7.3
  Top w0.25: v3(10.28,37.16) 10.28,36.67 ; 10.28,36.67 10.33,36.61 R57.1 ; 10.28,36.67 10.28,36.18 ; SW2.7 10.31,40.36 v3(10.29,40.34) 10.31,40.32 10.31,39.44 R43.2
  Bottom w0.25: v3(10.29,40.34) 10.29,37.17 v3(10.28,37.16)
Net-(R44-Pad2): length 7.3
  Top w0.25: 11.56,36.67 11.6,36.62 R58.1 ; 11.56,36.67 v3(11.56,37.17) ; 11.56,36.67 11.56,36.17 ; R44.2 11.58,39.44 11.58,40.34 v3(11.57,40.35) 11.58,40.36 SW2.8
  Bottom w0.25: v3(11.57,40.35) 11.57,37.18 v3(11.56,37.17)
Net-(R45-Pad2): length 7.3
  Top w0.25: 12.85,36.67 12.88,36.63 R59.1 ; 12.85,36.67 v3(12.85,37.18) ; 12.85,36.67 12.85,36.16 ; R45.2 12.85,39.44 12.85,40.35 v3(12.86,40.36) 12.85,40.37 SW2.9
  Bottom w0.25: v3(12.85,37.18) 12.86,37.19 v3(12.86,40.36)
